# Altium PCB Urukul.PcbDoc (part 8 of 12)
Units mm, origin at the board's own origin, x right, y up, seen from the top; angles counter-clockwise.
Board outline 160.99 x 100 mm, 6 copper layers (L1, P2, L3, L4, P5, L6), stack 1.648 mm thick; 971 components, 541 nets, 3373 pads, 2358 vias.
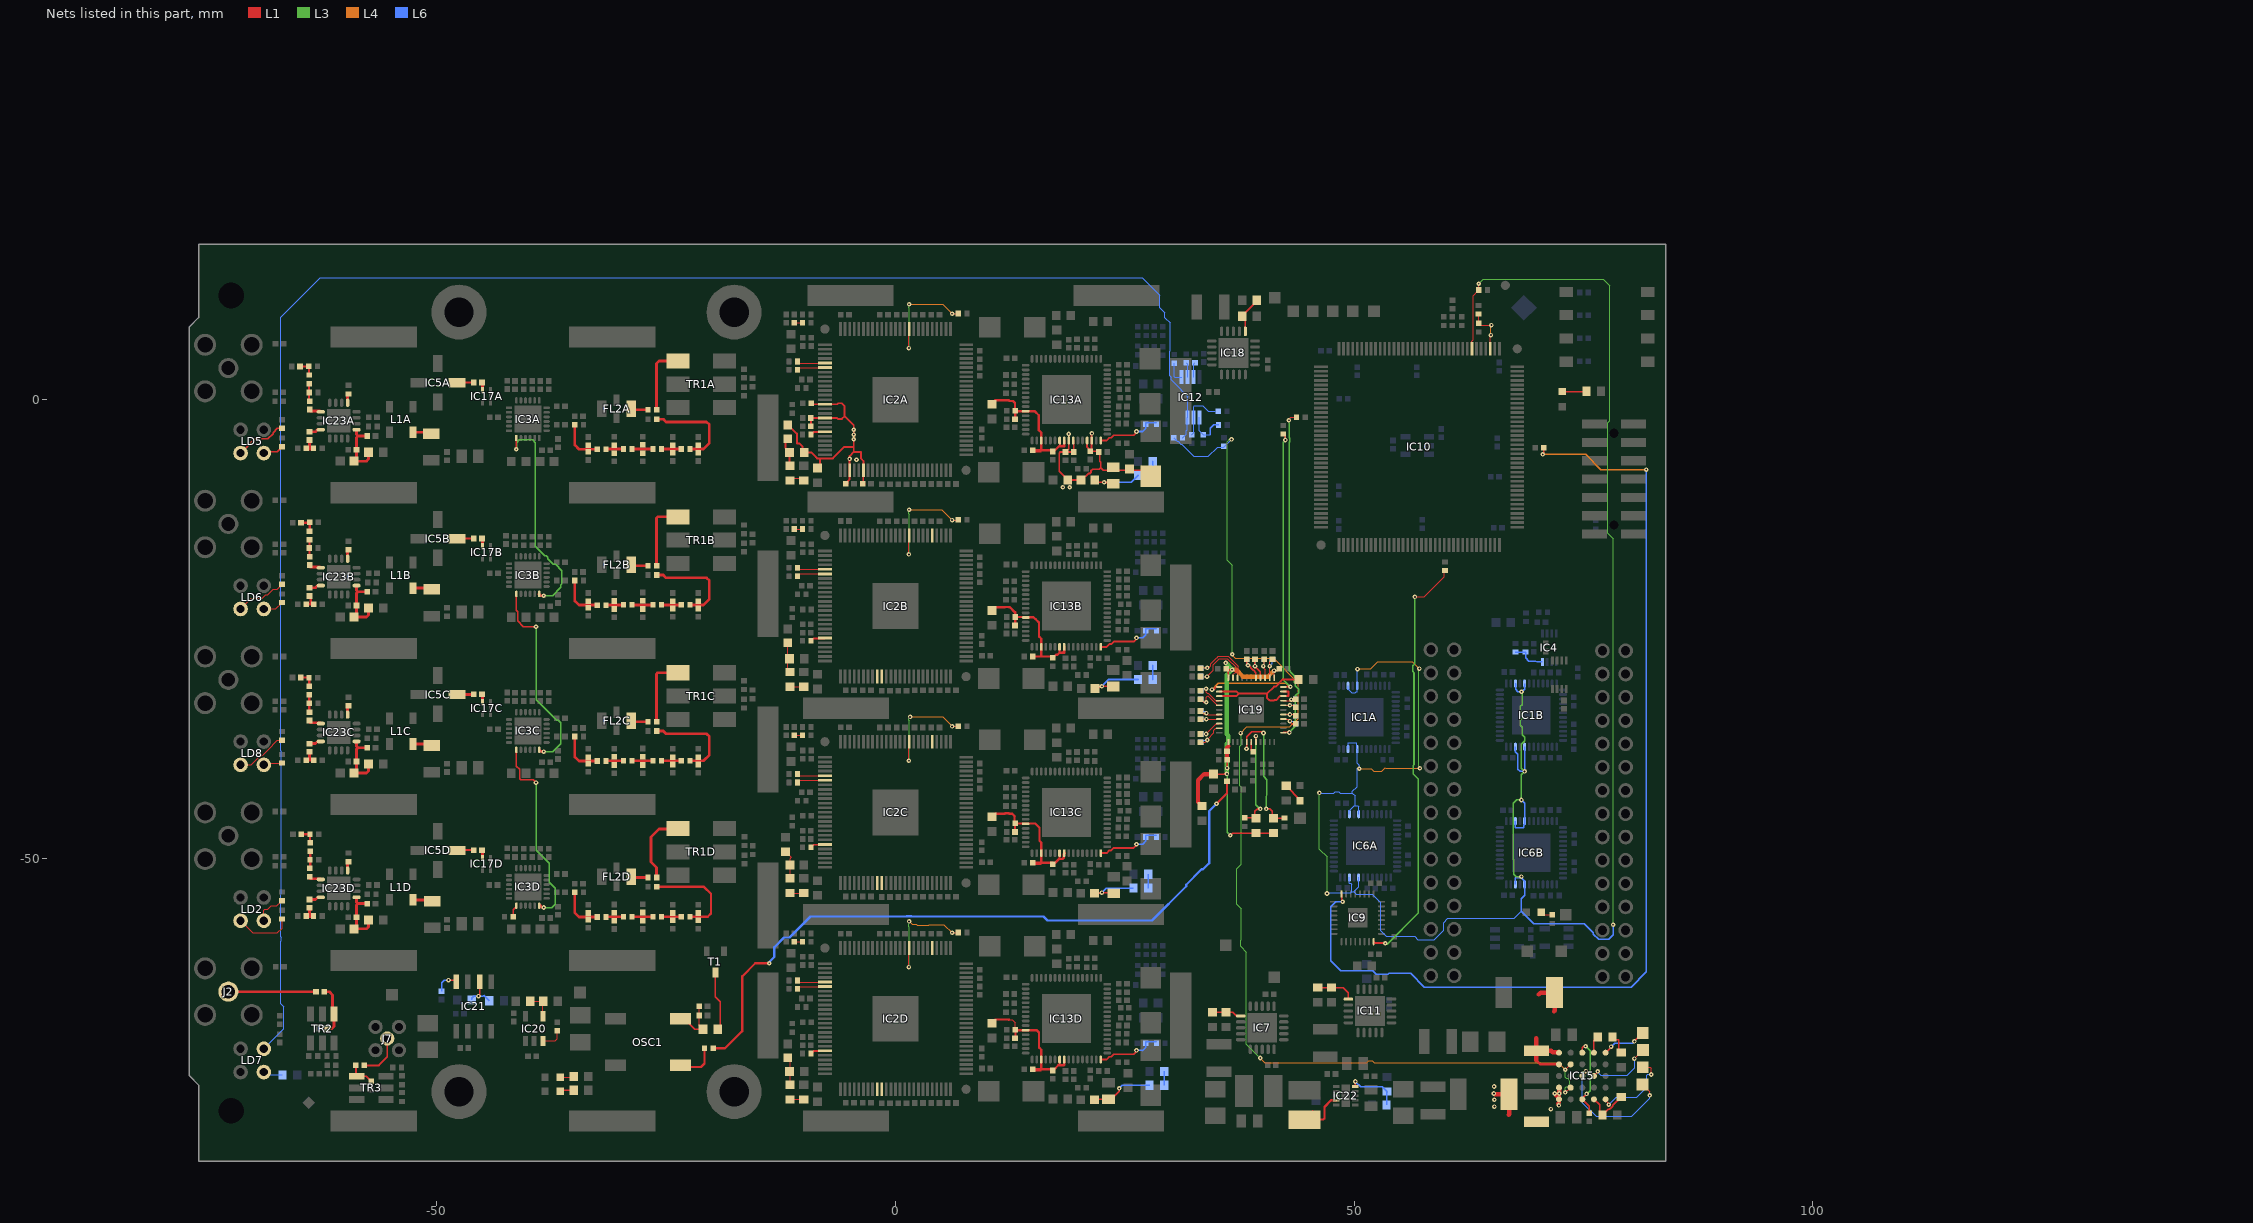
[diagram p12: the nets of this part, all layers, seen from the top]

## Via types
v1: diameter 0.5, hole 0.2, L1 to L6, tented both sides, 2267 vias
v2: diameter 0.6, hole 0.3, L1 to L6, tented both sides, 88 vias
v3: diameter 0.5, hole 0.2, L1 to L6, 3 vias

## Nets (pads, with @x,y where several pads share a name; then routed paths per layer and width w, separated by ;. In a path a pad name is that pad's centre, name@x,y a point inside that pad or via, vN(x,y) a via of type N, cw(c..) or ccw(c..) an arc to the next point about the centre after c; other vN are vias at no path point) (continued)
NetC38A_1: C38A.1 C39A.2 C40A.2 IC23A.1 L6A.1 | length 7.2
  L1 w0.3: IC23A.1@-58.771,-3.267 -58.771,-3.792 -58.611,-3.953 ; C38A.1@-57.6,-3.953 -58.611,-3.953 ; L6A.1@-57.475,-5.728 -57.475,-6.478 -57.7,-6.703 C39A.2@-59.05,-6.703 -58.825,-6.478 -58.775,-6.528 C40A.2@-58.775,-5.453 -58.775,-4.117 -58.611,-3.953
NetC38B_1: C38B.1 C39B.2 C40B.2 IC23B.1 L6B.1 | length 7.2
  L1 w0.3: IC23B.1@-58.771,-20.267 -58.771,-20.792 -58.611,-20.953 ; C38B.1@-57.6,-20.953 -58.611,-20.953 ; L6B.1@-57.475,-22.728 -57.475,-23.478 -57.7,-23.703 C39B.2@-59.05,-23.703 -58.825,-23.478 -58.775,-23.528 C40B.2@-58.775,-22.453 -58.775,-21.117 -58.611,-20.953
NetC38C_1: C38C.1 C39C.2 C40C.2 IC23C.1 L6C.1 | length 7.2
  L1 w0.3: IC23C.1@-58.771,-37.267 -58.771,-37.792 -58.611,-37.953 ; C38C.1@-57.6,-37.953 -58.611,-37.953 ; L6C.1@-57.475,-39.728 -57.475,-40.478 -57.7,-40.703 C39C.2@-59.05,-40.703 -58.825,-40.478 -58.775,-40.528 C40C.2@-58.775,-39.453 -58.775,-38.117 -58.611,-37.953
NetC38D_1: C38D.1 C39D.2 C40D.2 IC23D.1 L6D.1 | length 7.2
  L1 w0.3: IC23D.1@-58.771,-54.267 -58.771,-54.792 -58.611,-54.953 ; C38D.1@-57.6,-54.953 -58.611,-54.953 ; L6D.1@-57.475,-56.728 -57.475,-57.478 -57.7,-57.703 C39D.2@-59.05,-57.703 -58.825,-57.478 -58.775,-57.528 C40D.2@-58.775,-56.453 -58.775,-55.117 -58.611,-54.953
NetC44A_2: C44A.2 C107A.2 R113A.1 | length 5.5
  L1 w0.203: C44A.2@22.05,-9 v1(22.75,-9) 22.8,-9.05 C107A.2@23.5,-9.05
  L6 w0.203: v1(22.75,-9) 25.7,-9 R113A.1@26.45,-8.25
NetC44B_2: C44B.2 C107B.2 R113B.1 | length 6.1
  L1 w0.203: C44B.2@21.75,-31.328 22.425,-31.328 22.5,-31.253 v1(22.5,-31.25) 23.45,-31.25 C107B.2@23.5,-31.3
  L6 w0.203: v1(22.5,-31.25) 23.25,-30.5 R113B.1@26.45,-30.5
NetC44C_2: C44C.2 C107C.2 R113C.1 | length 5.5
  L1 w0.152: C44C.2@21.75,-53.828 22.425,-53.828 22.5,-53.753 v1(22.5,-53.75) 23.45,-53.75 C107C.2@23.5,-53.8
  L6 w0.152: v1(22.5,-53.75) 23,-53.25 R113C.1@25.95,-53.25
NetC44D_2: C44D.2 C107D.2 R113D.1 | length 6.9
  L1 w0.152: C44D.2@21.75,-76.328 21.778,-76.3 23.216,-76.3 C107D.2@23.5,-76.3 ; C107D.2@23.25,-76.05 23.736,-76.05 24.396,-75.39 v1(24.396,-75.104)
  L6 w0.152: v1(24.396,-75.104) 24.75,-74.75 R113D.1@27.7,-74.75
NetC47A_1: C47A.1 IC23A.12 | length 1.3
  L1 w0.3: C47A.1@-63.9,-3.503 -63.25,-3.503 -63.014,-3.267 IC23A.12@-62.671,-3.267
NetC47A_2: C47A.2 R18A.2 R19A.2 | length 2.3
  L1 w0.3: C47A.2@-63.77,-4.608 -63.9,-4.478 -63.9,-5.303 -63.9,-5.358 -63.88,-5.377 ; R19A.2@-63.44,-5.377 -63.47,-5.377 -63.88,-5.377 ; -63.88,-5.378 -64.255,-5.378 -63.88,-5.377
NetC47B_1: C47B.1 IC23B.12 | length 1.3
  L1 w0.3: C47B.1@-63.9,-20.503 -63.25,-20.503 -63.014,-20.267 IC23B.12@-62.671,-20.267
NetC47B_2: C47B.2 R18B.2 R19B.2 | length 1.8
  L1 w0.3: R18B.2@-64.255,-22.303 -63.77,-22.303 ; C47B.2@-63.9,-21.403 -63.77,-21.533 -63.77,-22.302 ; R19B.2@-63.44,-22.303 -63.63,-22.303 -63.77,-22.303
NetC47C_1: C47C.1 IC23C.12 | length 1.3
  L1 w0.3: C47C.1@-63.9,-37.503 -63.25,-37.503 -63.014,-37.267 IC23C.12@-62.671,-37.267
NetC47C_2: C47C.2 R18C.2 R19C.2 | length 2.3
  L1 w0.3: C47C.2@-63.77,-38.533 C47C.2@-63.9,-38.403 -63.9,-39.283 -63.88,-39.302 ; R19C.2@-63.44,-39.302 -63.88,-39.302 ; -63.88,-39.302 R18C.2@-64.255,-39.303 -63.88,-39.303
NetC47D_1: C47D.1 IC23D.12 | length 1.3
  L1 w0.3: C47D.1@-63.9,-54.503 -63.25,-54.503 -63.014,-54.267 IC23D.12@-62.671,-54.267
NetC47D_2: C47D.2 R18D.2 R19D.2 | length 3.2
  L1 w0.3: C47D.2@-63.9,-55.403 -63.9,-56.303 ; C47D.2@-63.77,-55.608 -63.9,-55.478 -63.9,-56.303 ; R19D.2@-63.44,-56.377 -63.47,-56.377 -63.88,-56.377 ; -63.9,-56.303 -63.9,-56.358 -63.88,-56.377 ; -63.88,-56.378 -64.255,-56.378 -63.88,-56.377
NetC49A_1: C49A.1 IC23A.9 | length 1.2
  L1 w0.3: C49A.1@-63.825,-1.233 -62.756,-1.233 IC23A.9@-62.671,-1.317
NetC49A_2: C49A.2 R2A.1 R3A.2 | length 1.8
  L1 w0.211: C49A.2@-63.935,-0.045 -63.935,0.793 R2A.1@-63.935,1.745
NetC49B_1: C49B.1 IC23B.9 | length 1.2
  L1 w0.3: C49B.1@-63.825,-18.233 -62.756,-18.233 IC23B.9@-62.671,-18.317
NetC49B_2: C49B.2 R2B.1 R3B.2 | length 1.9
  L1 w0.254: R2B.1@-63.91,-15.273 -63.91,-16.174 -63.91,-17.071 C49B.2@-63.859,-17.121
NetC49C_1: C49C.1 IC23C.9 | length 1.2
  L1 w0.3: C49C.1@-63.825,-35.233 -62.756,-35.233 IC23C.9@-62.671,-35.317
NetC49C_2: C49C.2 R2C.1 R3C.2 | length 1.9
  L1 w0.254: R2C.1@-63.935,-32.189 -63.935,-33.116 -63.935,-34.063 C49C.2@-63.91,-34.089
NetC49D_1: C49D.1 IC23D.9 | length 1.2
  L1 w0.3: C49D.1@-63.825,-52.233 -62.756,-52.233 IC23D.9@-62.671,-52.317
NetC49D_2: C49D.2 R2D.1 R3D.2 | length 1.9
  L1 w0.254: C49D.2@-63.859,-51.107 -63.808,-51.056 -63.808,-50.16 R2D.1@-63.808,-49.258
NetC50A_1: C50A.1 R2A.2 R4A.2 | length 1.9
  L1 w0.211: C50A.1@-64.933,3.612 -63.999,3.612 R4A.2@-63.973,3.638 -63.973,2.723 R2A.2@-63.935,2.685
NetC50B_1: C50B.1 R2B.2 R4B.2 | length 1.9
  L1 w0.254: C50B.1@-64.831,-13.406 -63.897,-13.406 R4B.2@-63.872,-13.38 -63.872,-14.295 R2B.2@-63.91,-14.333
NetC50C_1: C50C.1 R2C.2 R4C.2 | length 1.9
  L1 w0.254: C50C.1@-64.857,-30.297 -63.973,-30.297 R4C.2@-63.948,-30.322 -63.948,-31.236 R2C.2@-63.935,-31.249
NetC50D_1: C50D.1 R2D.2 R4D.2 | length 1.9
  L1 w0.254: C50D.1@-64.806,-47.391 R4D.2@-63.846,-47.391 -63.846,-48.28 R2D.2@-63.808,-48.318
NetC55A_1: C55A.1 IC17A.1 | length 0.8
  L1 w0.3: C55A.1@-45.1,1.872 -45.05,1.822 IC17A.1@-45.05,1.072
NetC55A_2: C55A.2 IC5A.1 | length 2
  L1 w0.211: IC5A.1@-47.815,1.847 -47.79,1.872 C55A.2@-46,1.872 -46.025,1.847 -46.067,1.847 -46.046,1.827 C55A.2@-46.003,1.783
NetC55B_1: C55B.1 IC17B.1 | length 0.8
  L1 w0.3: C55B.1@-45.1,-15.128 -45.05,-15.178 IC17B.1@-45.05,-15.928
NetC55B_2: C55B.2 IC5B.1 | length 1.8
  L1 w0.211: IC5B.1@-47.815,-15.153 -47.79,-15.128 C55B.2@-46,-15.128
NetC55C_1: C55C.1 IC17C.1 | length 0.8
  L1 w0.3: C55C.1@-45.1,-32.128 -45.05,-32.178 IC17C.1@-45.05,-32.928
NetC55C_2: C55C.2 IC5C.1 | length 2
  L1 w0.3: IC5C.1@-47.815,-32.153 C55C.2@-46.025,-32.153 ; C55C.2@-46,-32.128 C55C.2@-46.025,-32.153 ; C55C.2@-45.9,-32.153 -46,-32.153 C55C.2@-46.025,-32.153
NetC55D_1: C55D.1 IC17D.1 | length 0.8
  L1 w0.3: C55D.1@-45.1,-49.128 -45.05,-49.178 IC17D.1@-45.05,-49.928
NetC55D_2: C55D.2 IC5D.1 | length 1.8
  L1 w0.211: IC5D.1@-47.815,-49.153 -47.79,-49.128 C55D.2@-46,-49.128
NetC56_2: C56.2 IC19.38 R34.2 | length 3
  L1 w0.152: v1@38.3,-28.813 C56.2@38.3,-28.303 ; v1(38.44,-28.953) 38.483,-28.953 38.722,-29.191 38.722,-29.251 39.002,-29.531 39.061,-29.531 39.3,-29.769 IC19.38@39.3,-30.328
  L6 w0.152: R34.2@38.3,-28.323 38.3,-28.813 v1(38.44,-28.953)
NetC57_2: C57.2 IC19.10 R42.2 | length 3.7
  L1 w0.127: C57.2@33.25,-37.353 33.76,-37.353 v1(34,-37.113) 34.081,-37.032 34.081,-36.977 34.722,-36.336 34.722,-36.031 34.925,-35.828 IC19.10@35.3,-35.828
  L6 w0.127: R42.2@33.27,-37.353 33.51,-37.113 v1(34,-37.113)
NetC58_2: C58.2 IC19.9 R37.2 | length 3.1
  L1 w0.127: C58.2@33.25,-36.453 v1(33.87,-36.453) 34.995,-35.328 IC19.9@35.3,-35.328
  L6 w0.127: R37.2@33.27,-36.453 v1(33.87,-36.453)
NetC59_2: C59.2 IC19.8 R60.2 | length 2.7
  L1 w0.127: C59.2@33.25,-34.853 33.875,-34.853 v1(33.9,-34.828) IC19.8@35.3,-34.828
  L6 w0.127: R60.2@33.27,-34.853 33.875,-34.853 v1(33.9,-34.828)
NetC60_2: C60.2 IC19.7 R61.2 | length 3
  L1 w0.127: C60.2@33.25,-33.953 33.55,-34.253 33.6,-34.253 ; v1@33.677,-34.176 33.6,-34.253 ; v1@33.76,-34.253 33.6,-34.253 ; v1@34,-34.193 34,-34.331 35.297,-34.331 IC19.7@35.3,-34.328
  L6 w0.127: R61.2@33.27,-33.953 33.76,-33.953 33.901,-34.094 v1(33.901,-34.176)
NetC61_2: C61.2 IC19.37 R70.2 | length 3
  L1 w0.152: C61.2@39.2,-28.303 v1(39.2,-29.053) 39.8,-29.653 IC19.37@39.8,-30.328
  L6 w0.152: v1(39.2,-29.053) R70.2@39.2,-28.323
NetC62_2: C62.2 IC19.5 R62.2 | length 4
  L1 w0.127: C62.2@33.25,-32.653 33.597,-33 v1(33.89,-33) 33.89,-32.446 34.039,-32.297 35.07,-33.328 IC19.5@35.3,-33.328
  L6 w0.127: R62.2@33.27,-32.653 33.617,-33 v1(33.89,-33)
NetC65_2: C65.2 IC19.36 R71.2 | length 2.8
  L1 w0.127: C65.2@40.2,-28.303 40.2,-29.053 40.2,-29.353 40.3,-29.453 IC19.36@40.3,-30.328
  L6 w0.127: v1(40.1,-29.053) 40.2,-28.953 R71.2@40.2,-28.323
NetC66_2: C66.2 IC19.35 R72.2 | length 3
  L1 w0.127: IC19.35@40.8,-30.328 v1(40.8,-29.053) 40.8,-28.603 C66.2@41.1,-28.303
  L6 w0.127: v1(40.8,-29.053) 41.04,-28.813 41.1,-28.813 R72.2@41.1,-28.323
NetC67_2: C67.2 IC15.A3 IC15.E3 | length 9.1
  L1 w0.152: IC15.A3@74.89,-71.21 74.89,-70.674 75.064,-70.5 v1(75.25,-70.5) ; v1(75.368,-75.703) 74.89,-76.181 IC15.E3@74.89,-76.29 75.64,-77.04 C67.2@75.64,-77.8
  L3 w0.152: v1(75.25,-70.5) 75.732,-70.982 75.732,-75.339 v1(75.368,-75.703)
NetC68_2: C68.2 IC19.30 R76.2 | length 2.4
  L1 w0.127: IC19.30@42.3,-32.828 v1@43,-32.828 ; v1(43.16,-32.701) 43.127,-32.701 v1@43,-32.828 ; C68.2@43.65,-32.653 43.475,-32.828 43.16,-32.828 v1@43,-32.828
  L6 w0.127: v1(43.16,-32.701) 43.048,-32.701 43,-32.653 43.16,-32.653 R76.2@43.63,-32.653
NetC71_2: C71.2 IC19.29 R95.2 | length 2.2
  L1 w0.127: IC19.29@42.3,-33.328 v1(43,-33.328) 43.425,-33.328 C71.2@43.65,-33.553
  L6 w0.127: v1(43,-33.328) 43.425,-33.328 43.63,-33.533 R95.2@43.63,-33.553
NetC72A_2: C72A.2 C99A.2 R92A.1 | length 2.9
  L1 w0.203: C99A.2@-11.75,-5.5 -12,-5.25 -12,-4.55 C72A.2@-11.75,-4.3 ; C99A.2@-11.55,-5.75 -11.55,-7.15 R92A.1@-11.5,-7.2
NetC72B_2: C72B.2 C99B.2 R92B.1 | length 3.3
  L1 w0.127: C72B.2@-11.75,-26.55 -11.75,-28.25 -11.75,-29.45 R92B.1@-11.5,-29.7
NetC72C_2: C72C.2 C99C.2 R92C.1 | length 3.2
  L1 w0.127: C99C.2@-12,-49.3 -11.384,-49.916 -11.5,-50.033 C72C.2@-11.5,-50.75 R92C.1@-11.5,-52.2
NetC72D_2: C72D.2 C99D.2 R92D.1 | length 3
  L1 w0.127: C72D.2@-11.75,-71.8 -11.5,-72.05 -11.5,-73.25 R92D.1@-11.5,-74.7
NetC73_2: C73.2 IC15.D1 IC15.E1 L2.1 | length 6.1
  L1 w0.483: v1(65.249,-75.661) 65.338,-75.75 L2.1@66.915,-75.75 66.915,-77.933 66.85,-77.998 ; v1(71.879,-75.661) 72.107,-75.89 72.35,-75.89 IC15.E1@72.35,-76.29 72.35,-76.689 v1@72.275,-76.764 ; IC15.D1@72.35,-75.02 72.387,-75.057 v1(72.387,-75.661)
  other v1: 71.472,-77.363 65.3,-77.084 72.336,-76.957 65.3,-76.347 65.275,-74.899
NetC87A_2: C87A.2 R40A.1 | length 0.9
  L1 w0.127: C87A.2@-11.03,8.397 R40A.1@-10.15,8.397
NetC87B_2: C87B.2 R40B.1 | length 0.9
  L1 w0.127: C87B.2@-11.03,-14.103 R40B.1@-10.15,-14.103
NetC87C_2: C87C.2 R40C.1 | length 0.9
  L1 w0.127: C87C.2@-11.03,-36.603 R40C.1@-10.15,-36.603
NetC87D_2: C87D.2 R40D.1 | length 0.9
  L1 w0.127: C87D.2@-11.03,-59.103 R40D.1@-10.15,-59.103
NetC88_2: C88.2 IC19.4 R63.2 | length 3.3
  L1 w0.127: C88.2@33.474,-31.516 33.76,-31.516 33.76,-31.523 33.764,-31.527 v1(33.863,-31.527) 33.863,-31.905 33.975,-32.017 34.118,-32.017 34.929,-32.828 IC19.4@35.3,-32.828
  L6 w0.127: R63.2@33.27,-31.753 33.496,-31.527 v1(33.863,-31.527)
NetC91_2: C91.2 C97.2 C98.2 C100.2 IC19.12 IC19.34 IC19.44 L14.1 R103.1 R109.1 R151.2 | length 41.6
  L1 w0.127: v1(41.279,-29.542) 41.661,-29.542 C100.2@41.85,-29.353 ; IC19.34@41.3,-30.328 v1@41.3,-29.769
  L1 w0.152: L14.1@34.693,-40.826 35.848,-40.826 v1@36.001,-40.673 ; C98.2@36.05,-29.353 C98.2@36.3,-29.603 ; v1(36.159,-40.172) C91.2@36.159,-39.264 ; 36.3,-37.79 IC19.12@36.3,-37.328 ; IC19.44@36.3,-30.328 C98.2@36.3,-29.603 ; v1(36.504,-47.497) 36.748,-47.253 R109.1@39.3,-47.253 R103.1@41.2,-47.253 ; v1(36.7,-29.459) 36.444,-29.459 C98.2@36.3,-29.603
  L1 w0.406: C91.2@36.159,-39.264 36.159,-38.353 36.159,-37.931 36.3,-37.79
  L1 w0.483: R151.2@33.426,-44.31 32.985,-43.869 32.985,-41.488 33.647,-40.826 L14.1@34.693,-40.826
  L3 w0.152: v1@36.159,-40.812 36.159,-47.152 v1(36.504,-47.497)
  L3 w0.483: v1(36.014,-28.697) 36.7,-29.382 v1(36.7,-29.459) 36.141,-30.017 36.141,-36.481 36.302,-36.642 36.302,-37.365 36.141,-37.525 36.141,-40.172 v1(36.141,-40.812)
  L4 w0.483: v1(36.7,-29.459) 37.15,-29.459 37.885,-30.194 40.627,-30.194 v1(41.279,-29.542)
NetC92_2: C92.2 IC19.43 R69.2 | length 7.4
  L1 w0.127: C92.2@33.25,-30.193 v1(33.97,-30.193) 33.97,-30.183 34.65,-29.504 34.65,-28.928 34.978,-28.6 35.322,-28.256 36.196,-28.256 37.14,-29.2 37.14,-29.641 36.781,-30 36.796,-30 36.796,-30.323 IC19.43@36.8,-30.328
  L6 w0.127: R69.2@33.27,-30.193 v1(33.97,-30.193)
NetC93_2: C93.2 IC19.42 R77.2 | length 7.5
  L1 w0.127: C93.2@33.25,-29.293 33.435,-29.107 33.578,-29.25 v1(34,-29.25) 34.151,-29.25 34.396,-29.005 34.396,-28.788 34.699,-28.485 35.046,-28.138 35.081,-28.138 35.217,-28.002 36.302,-28.002 37.394,-29.095 37.394,-29.856 37.3,-29.95 IC19.42@37.3,-30.328
  L6 w0.127: R77.2@33.27,-29.293 33.455,-29.107 33.598,-29.25 v1(34,-29.25)
NetC94_2: C94.2 IC19.17 | length 1.2
  L1 w0.152: IC19.17@38.8,-37.328 38.8,-38.203 C94.2@39,-38.403
NetC95_2: C95.2 IC19.27 R101.2 | length 2.1
  L1 w0.127: IC19.27@42.3,-34.328 v1(43,-34.328) 43.525,-34.328 C95.2@43.65,-34.453
  L6 w0.127: v1(43,-34.328) 43.525,-34.328 43.63,-34.433 R101.2@43.63,-34.453
NetC96_2: C96.2 IC19.26 R102.2 | length 2.5
  L1 w0.127: IC19.26@42.3,-34.828 42.858,-34.828 43,-34.969 v1(43,-35.053) ; v1@43.042,-35.011 43.14,-35.109 43.14,-35.353 C96.2@43.65,-35.353
  L6 w0.127: v1(43,-35.053) 43.388,-35.053 43.63,-35.295 R102.2@43.63,-35.353
NetC101_2: C101.2 C102.2 L9.1 OSC1.4 | length 5.6
  L1 w0.127: C101.2@-21.4,-66.153 C102.2@-21.4,-67.153 -21.4,-68.253 L9.1@-21,-68.653
  L1 w0.152: OSC1.4@-23.445,-67.513 -23.04,-67.513 -21.9,-68.653 L9.1@-21,-68.653
NetC103_2: C103.2 R117.1 | length 76.9
  L1 w0.254: R117.1@-19.888,-70.728 -18.591,-70.728 -16.716,-68.854 -16.716,-62.885 -15.294,-61.463 v1(-13.77,-61.463) ; v1(34.998,-44.064) 36.15,-42.912 C103.2@36.148,-41.6 C103.2@36.15,-41.553
  L6 w0.254: v1(-13.77,-61.463) -13.77,-61.31 -13.211,-60.751 -13.211,-59.714 -12.15,-58.653 -11.576,-58.653 -9.281,-56.357 1.207,-56.357 1.248,-56.317 1.726,-56.317 1.766,-56.357 16.151,-56.357 16.583,-56.789 27.966,-56.789 31.696,-53.059 31.696,-52.89 33.371,-51.215 33.538,-51.215 34.217,-50.535 34.217,-44.844 v1(34.998,-44.064)
NetC161_2: C161.2 IC15.A1 IC15.B1 L3.1 | length 11.5
  L1 w0.3: 69.89,-72.047 70.323,-72.48 IC15.B1@72.35,-72.48
  L1 w0.483: 69.847,-69.641 69.89,-69.685 C161.2@69.89,-71 ; 69.89,-72.047 C161.2@69.89,-71 ; 70.152,-64.866 70.365,-64.653 L3.1@71.875,-64.653 71.875,-66.648 71.803,-66.72 ; IC15.A1@72.35,-71.21 72.107,-71.21 72.063,-71.165 71.65,-71.165 71.485,-71 C161.2@69.89,-71
NetC164A_1: C164A.1 C203A.2 R48A.1 R57A.1 | length 10.4
  L1 w0.3: R57A.1@-26.054,-2.126 -25.327,-2.126 -25.025,-2.428 -20.6,-2.428 -20.3,-2.728 -20.3,-4.728 -20.95,-5.378 -21.5,-5.378 R48A.1@-22.413,-5.378
NetC164B_1: C164B.1 C203B.2 R48B.1 R57B.1 | length 10.4
  L1 w0.3: R57B.1@-26.054,-19.126 -25.327,-19.126 -25.025,-19.428 -20.6,-19.428 -20.3,-19.728 -20.3,-21.728 -20.95,-22.378 -21.5,-22.378 R48B.1@-22.413,-22.378
NetC164C_1: C164C.1 C203C.2 R48C.1 R57C.1 | length 10.4
  L1 w0.3: R57C.1@-26.054,-36.126 -25.327,-36.126 -25.025,-36.428 -20.6,-36.428 -20.3,-36.728 -20.3,-38.728 -20.95,-39.378 -21.5,-39.378 R48C.1@-22.413,-39.378
NetC164D_1: C164D.1 C203D.2 R48D.1 R57D.1 | length 10.8
  L1 w0.254: R57D.1@-26.054,-53.126 -20.877,-53.126 -20.125,-53.878 -20.125,-56.028 -20.475,-56.378 -21.5,-56.378 R48D.1@-22.413,-56.378
NetC170_1: C170.1 IC20.3 | length 2.6
  L1 w0.127: IC20.3@-38.45,-69.931 -37.11,-69.931 -36.87,-69.691 C170.1@-36.87,-68.803
NetC172A_1: C172A.1 C204A.2 R48A.2 R49A.1 | length 2.2
  L1 w0.3: R49A.1@-25.513,-5.378 -24.3,-5.378 R48A.2@-23.353,-5.378
NetC172B_1: C172B.1 C204B.2 R48B.2 R49B.1 | length 2.2
  L1 w0.3: R49B.1@-25.513,-22.378 -24.3,-22.378 R48B.2@-23.353,-22.378
NetC172C_1: C172C.1 C204C.2 R48C.2 R49C.1 | length 2.2
  L1 w0.3: R49C.1@-25.513,-39.378 -24.3,-39.378 R48C.2@-23.353,-39.378
NetC172D_1: C172D.1 C204D.2 R48D.2 R49D.1 | length 2.2
  L1 w0.3: R49D.1@-25.513,-56.378 -24.3,-56.378 R48D.2@-23.353,-56.378
NetC175_1: C175.1 IC21.4 | length 2.7
  L1 w0.152: v1(-48.75,-63.292) -48.08,-63.292 IC21.4@-47.905,-63.467
  L6 w0.152: C175.1@-49.5,-64.503 -49.5,-63.571 -49.221,-63.292 v1(-48.75,-63.292)
NetC176A_1: C176A.1 C205A.2 R49A.2 R50A.1 | length 2.3
  L1 w0.3: R50A.1@-28.729,-5.378 -27.55,-5.378 R49A.2@-26.453,-5.378
NetC176B_1: C176B.1 C205B.2 R49B.2 R50B.1 | length 2.3
  L1 w0.3: R50B.1@-28.729,-22.378 -27.55,-22.378 R49B.2@-26.453,-22.378
NetC176C_1: C176C.1 C205C.2 R49C.2 R50C.1 | length 2.3
  L1 w0.3: R50C.1@-28.729,-39.378 -27.55,-39.378 R49C.2@-26.453,-39.378
NetC176D_1: C176D.1 C205D.2 R49D.2 R50D.1 | length 2.3
  L1 w0.3: R50D.1@-28.729,-56.378 -27.55,-56.378 R49D.2@-26.453,-56.378
NetC180A_1: C180A.1 C206A.2 R50A.2 R51A.2 | length 1.9
  L1 w0.3: R51A.2@-31.58,-5.403 -31.555,-5.378 -30.675,-5.378 R50A.2@-29.669,-5.378
NetC180B_1: C180B.1 C206B.2 R50B.2 R51B.2 | length 1.9
  L1 w0.3: R51B.2@-31.58,-22.403 -31.555,-22.378 -30.675,-22.378 R50B.2@-29.669,-22.378
NetC180C_1: C180C.1 C206C.2 R50C.2 R51C.2 | length 1.9
  L1 w0.3: R51C.2@-31.58,-39.403 -31.555,-39.378 -30.675,-39.378 R50C.2@-29.669,-39.378
NetC180D_1: C180D.1 C206D.2 R50D.2 R51D.2 | length 1.9
  L1 w0.3: R51D.2@-31.58,-56.403 -31.555,-56.378 -30.675,-56.378 R50D.2@-29.669,-56.378
NetC190_1: C190.1 J7.1 | length 4.9
  L1 w0.211: C190.1@-57.948,-72.588 -56.338,-72.588 -55.426,-71.676 J7.1@-55.426,-69.667
NetC190_2: C190.2 R73.1 TR3.3 | length 3
  L1 w0.211: C190.2@-58.848,-72.588 -58.848,-73.68 TR3.3@-58.75,-73.778 -57.71,-73.778 R73.1@-57.16,-74.328
NetC196_1: C196.1 J2.1 | length 9.5
  L1 w0.3: J2.1@-72.75,-64.553 C196.1@-63.2,-64.553
NetC196_2: C196.2 R46.1 TR2.3 | length 5.5
  L1 w0.3: C196.2@-62.3,-64.553 -61.75,-64.553 -61.383,-64.92 -61.383,-66.834 TR2.3@-61.23,-66.987 -61.23,-68.347 -61.461,-68.577 R46.1@-62.03,-68.577
NetC202A_1: C202A.1 C207A.2 R51A.1 R58A.1 | length 4.9
  L1 w0.3: R58A.1@-34.97,-2.728 -34.97,-4.958 -34.525,-5.403 -33.5,-5.403 R51A.1@-32.52,-5.403
NetC202B_1: C202B.1 C207B.2 R51B.1 R58B.1 | length 4.9
  L1 w0.3: R58B.1@-34.97,-19.728 -34.97,-21.958 -34.525,-22.403 -33.5,-22.403 R51B.1@-32.52,-22.403
NetC202C_1: C202C.1 C207C.2 R51C.1 R58C.1 | length 4.9
  L1 w0.3: R58C.1@-34.97,-36.728 -34.97,-38.958 -34.525,-39.403 -33.5,-39.403 R51C.1@-32.52,-39.403
NetC202D_1: C202D.1 C207D.2 R51D.1 R58D.1 | length 4.9
  L1 w0.3: R58D.1@-34.97,-53.728 -34.97,-55.958 -34.525,-56.403 -33.5,-56.403 R51D.1@-32.52,-56.403
NetFL2A_1: FL2A.1 R59A.2 | length 1.9
  L1 w0.3: FL2A.1@-28.8,-1.003 -28.693,-1.11 R59A.2@-26.994,-1.11
NetFL2B_1: FL2B.1 R59B.2 | length 1.9
  L1 w0.3: FL2B.1@-28.8,-18.003 -28.693,-18.11 R59B.2@-26.994,-18.11
NetFL2C_1: FL2C.1 R59C.2 | length 1.9
  L1 w0.3: FL2C.1@-28.8,-35.003 -28.693,-35.11 R59C.2@-26.994,-35.11
NetFL2D_1: FL2D.1 R59D.2 | length 1.9
  L1 w0.3: FL2D.1@-28.8,-52.003 -28.693,-52.11 R59D.2@-26.994,-52.11
NetIC1A_20: IC1A.20 IC1A.22 IC1A.39 IC1A.41 IC1B.20 IC1B.22 IC1B.39 IC1B.41 IC6A.20 IC6A.22 IC6A.39 IC6A.41 IC6B.20 IC6B.22 IC6B.39 IC6B.41 IC10.115 R1.2 | length 232.2
  L1 w0.127: IC10.115@62.85,5.547 62.85,6.358 63.01,6.517 63.01,10.84 63.009,10.841 63.009,11.206 63.01,11.207 63.01,11.359 R1.2@63.614,11.963 63.614,12.637 v3(63.602,12.649)
  L3 w0.127: v1(46.225,-42.878) 46.225,-49.028 47.059,-49.862 47.059,-53.846 v1(47.054,-53.846) ; v1@57.075,-39.978 57.075,-29.378 v1(57.125,-29.328) ; v3(63.602,12.649) 64.101,13.148 77.174,13.148 77.91,12.412 77.91,-2.287 77.659,-2.538 77.659,-14.546 78.257,-15.144 78.257,-52.121 78.283,-52.146 78.283,-57.226 v3(78.257,-57.252)
  L3 w0.152: v1(68.25,-52.001) 67.672,-52.001 67.397,-51.725 67.397,-50.15 67.361,-50.114 67.361,-44.018 67.742,-43.637 68.235,-43.637 v1(68.25,-43.653) 68.25,-40.89 v1(68.6,-40.54) 68.26,-40.2 68.26,-37.556 68.618,-37.198 68.618,-36.802 68.328,-36.512 68.328,-35.705 68.122,-35.499 68.122,-34.955 68.328,-34.749 68.328,-34.205 68.122,-33.999 68.122,-33.455 68.328,-33.249 68.328,-31.926 v1(68.26,-31.858)
  L4 w0.127: v1(50.374,-29.377) 50.424,-29.328 51.835,-29.328 52.586,-28.577 56.374,-28.577 v1(57.125,-29.328) ; v1(50.574,-40.253) 51.894,-40.253 52.134,-40.493 53.006,-40.493 53.378,-40.12 53.441,-40.183 v1(57.175,-40.183)
  L6 w0.127: v1(46.225,-42.878) 46.25,-42.903 47.767,-42.903 47.932,-42.737 48.318,-42.737 48.483,-42.903 49.825,-42.903 ; v1(47.054,-53.846) 47.147,-53.753 49.639,-53.753 49.75,-53.642 49.75,-53.639 ; IC1A.22@49.35,-38.103 49.35,-37.44 49.388,-37.403 50.3,-37.403 50.3,-38.053 IC1A.20@50.35,-38.103 50.35,-38.802 50.356,-38.807 50.356,-39.65 50.574,-39.868 v1(50.574,-40.253) 50.392,-40.253 50.35,-40.211 50.35,-40.253 50.35,-42.187 49.825,-42.712 49.825,-42.903 ; IC1A.39@49.35,-31.203 49.35,-31.553 49.754,-31.957 50.158,-31.957 50.25,-31.865 50.35,-31.865 IC1A.41@50.35,-31.203 50.35,-29.422 50.34,-29.412 v1(50.374,-29.377) ; IC6A.22@49.5,-52.103 49.5,-52.705 49.548,-52.752 49.639,-52.752 49.75,-52.864 49.75,-53.639 ; IC6A.39@49.5,-45.203 49.5,-44.853 50.05,-44.303 50.125,-44.303 ; IC6A.20@50.5,-52.103 50.5,-53.107 49.967,-53.639 ; IC6A.41@50.5,-45.203 50.5,-44.403 50.4,-44.303 50.125,-44.303 ; 68.25,-55.804 67.486,-56.568 60.222,-56.568 59.766,-57.023 59.766,-57.836 58.73,-58.872 56.967,-58.872 56.617,-58.522 53.508,-58.522 52.89,-57.903 52.89,-54.846 51.968,-53.924 50.253,-53.924 49.967,-53.639 ; 49.75,-53.639 49.967,-53.639 ; 49.825,-42.903 50.125,-43.203 50.125,-44.303